# KiCad board coils_12_35_10_8_layer.kicad_pcb (continued)
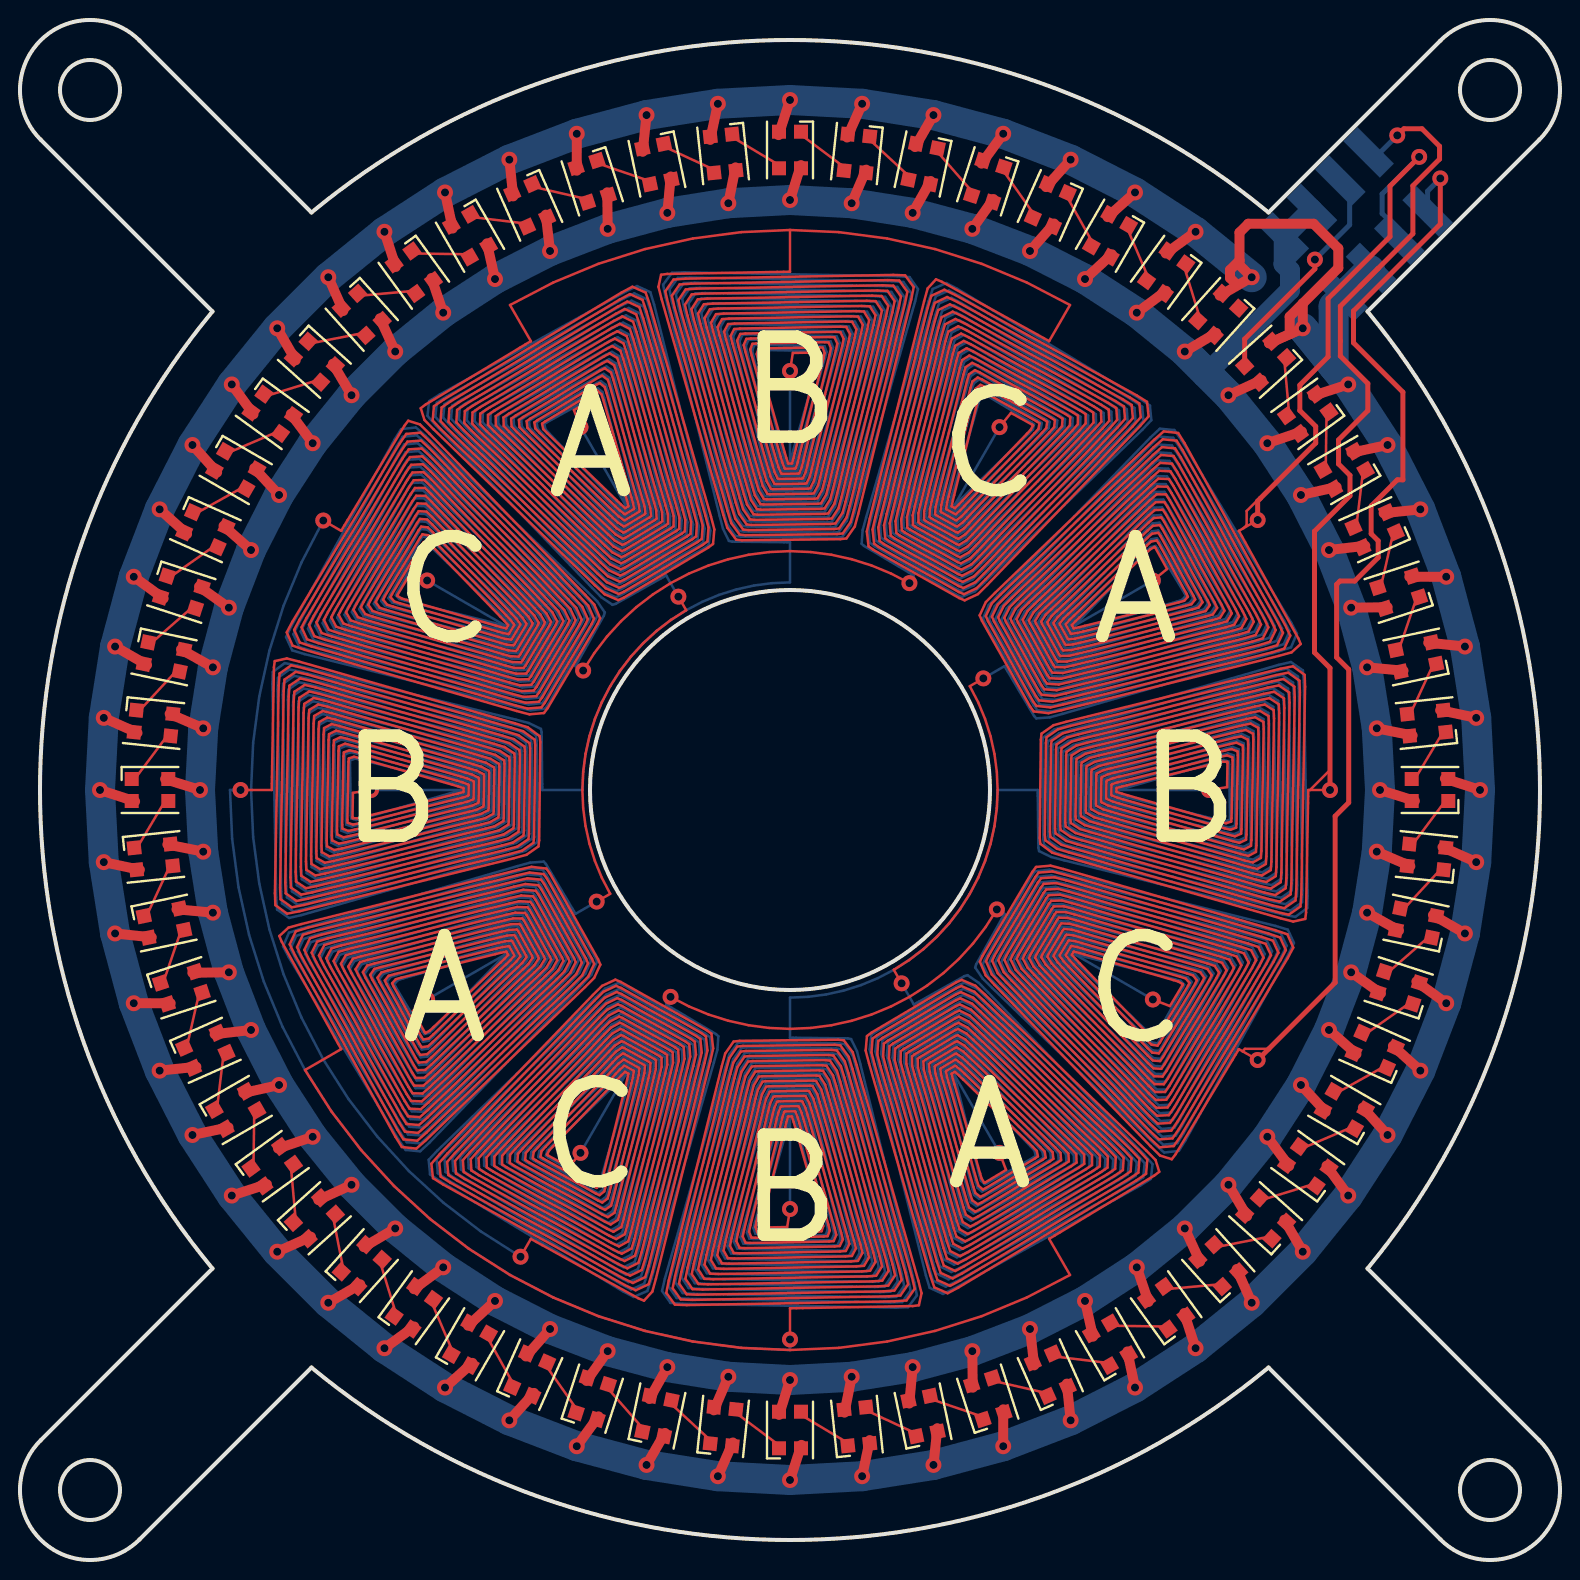
[diagram p0: board, top side]
## Routing (per net, layer and track width the routed paths; a pad name or vN(x,y) marks a point on that pad's centre or on a via; arc(x,y) is an arc through that point) (continued)
30.34,61.19 29.86,61.44 29.5,61.25 23.36,57.55 23.01,57.32 23,56.79 23.33,56.45 29.26,50.72 29.61,50.38 30.07,50.14 30.22,50.21 32.55,51.58 32.68,51.69 32.68,52.19 32.56,52.65 30.33,60.39 30.18,60.83 29.74,61.07 29.4,60.89 23.72,57.47 23.4,57.25 23.4,56.76 23.71,56.43 29.33,51 29.66,50.68 30.09,50.45 30.23,50.5 32.28,51.72 32.4,51.82 32.39,52.29 32.27,52.72 30.16,60.05 30.02,60.47 29.61,60.7 29.3,60.54 24.08,57.39 23.79,57.19 23.79,56.73 24.09,56.42 29.4,51.28 29.72,50.98 30.11,50.76 30.23,50.8 32.01,51.86 32.11,51.94 32.1,52.38 31.99,52.79 29.99,59.71 29.86,60.1 29.49,60.33 29.2,60.18 24.44,57.31 24.17,57.13 24.19,56.7 24.47,56.41 29.47,51.56 29.77,51.28 30.13,51.06 30.24,51.1 31.75,52 31.83,52.07 31.81,52.48 31.71,52.86 29.83,59.37 29.7,59.74 29.36,59.96 29.1,59.82 24.8,57.23 24.56,57.07 24.58,56.67 24.84,56.4 29.55,51.85 29.83,51.58 30.16,51.37 30.24,51.4 31.48,52.13 31.55,52.19 31.52,52.57 31.42,52.93 29.66,59.03 29.55,59.38 29.24,59.59 29,59.47 25.16,57.15 24.94,57 24.98,56.64 25.22,56.38 29.62,52.13 29.88,51.88 30.18,51.68 30.25,51.7 31.21,52.27 31.27,52.32 31.23,52.67 31.14,53 29.5,58.69 29.39,59.01 29.11,59.22 28.91,59.11 25.52,57.07 25.33,56.94 25.37,56.61 25.6,56.37 29.69,52.41 29.94,52.18 30.2,51.98 30.25,52 30.95,52.41 30.98,52.45 30.94,52.76 30.85,53.07 29.33,58.35 29.23,58.65 28.98,58.84 28.81,58.76 25.88,56.99 25.72,56.88 25.77,56.58 25.98,56.36 29.77,52.69 29.99,52.48 30.22,52.29 30.26,52.29 30.68,52.54 30.7,52.57 30.65,52.86 30.57,53.14 29.16,58.01 29.07,58.29 28.86,58.47 28.71,58.4 26.24,56.91 26.1,56.82 26.16,56.55 26.36,56.34 29.84,52.98 30.04,52.78 30.25,52.6 30.27,52.59 30.42,52.68 30.42,52.7 30.36,52.95 30.28,53.21 29,57.67 28.92,57.92 28.79,58.14 28.73,58.12 27.7,57.5 v1(28.02,56.64) ; 38.5,66.5 40.94,66.39 43.36,66.07 45.75,65.55 48.08,64.81 50.33,63.88 52.5,62.75 51.46,60.94 46.09,63.91 45.8,64.03 45.38,63.58 45.21,62.95 42.49,52.07 42.34,51.42 42.43,50.68 42.67,50.51 46.96,48.1 47.23,47.98 47.89,48.29 48.36,48.75 56.01,56.7 56.43,57.19 56.35,57.91 55.84,58.23 46.76,63.25 46.22,63.51 45.57,63.21 45.39,62.61 42.77,52.15 42.63,51.52 42.71,50.82 42.93,50.65 46.94,48.4 47.2,48.29 47.83,48.59 48.27,49.03 55.63,56.68 56.04,57.14 55.97,57.83 55.48,58.13 46.87,62.9 46.36,63.15 45.74,62.85 45.56,62.28 43.05,52.22 42.91,51.63 42.98,50.95 43.19,50.8 46.93,48.7 47.17,48.6 47.77,48.89 48.19,49.31 55.25,56.65 55.64,57.1 55.58,57.75 55.13,58.04 46.98,62.55 46.5,62.78 45.91,62.5 45.74,61.95 43.33,52.3 43.2,51.73 43.26,51.09 43.45,50.94 46.91,49 47.14,48.91 47.7,49.19 48.11,49.6 54.88,56.63 55.25,57.05 55.2,57.68 54.77,57.95 47.09,62.2 46.64,62.42 46.08,62.14 45.92,61.61 43.61,52.38 43.49,51.83 43.54,51.22 43.72,51.09 46.9,49.3 47.1,49.21 47.64,49.49 48.03,49.88 54.5,56.6 54.86,57.01 54.82,57.6 54.41,57.86 47.2,61.84 46.77,62.05 46.25,61.78 46.1,61.28 43.89,52.46 43.77,51.94 43.81,51.35 43.98,51.23 46.88,49.6 47.07,49.52 47.58,49.79 47.95,50.16 54.12,56.57 54.46,56.96 54.43,57.52 54.06,57.76 47.31,61.49 46.91,61.69 46.42,61.43 46.28,60.94 44.18,52.54 44.06,52.04 44.09,51.49 44.24,51.38 46.87,49.9 47.04,49.83 47.51,50.09 47.87,50.44 53.74,56.55 54.07,56.92 54.05,57.45 53.7,57.67 47.43,61.14 47.05,61.32 46.59,61.07 46.46,60.61 44.46,52.61 44.35,52.14 44.37,51.62 44.5,51.52 46.85,50.2 47.01,50.14 47.45,50.39 47.79,50.72 53.37,56.52 53.68,56.87 53.66,57.37 53.34,57.58 47.54,60.79 47.19,60.95 46.76,60.71 46.63,60.28 44.74,52.69 44.63,52.24 44.64,51.76 44.76,51.67 46.84,50.5 46.98,50.44 47.39,50.68 47.7,51 52.99,56.49 53.28,56.83 53.28,57.3 52.98,57.49 47.65,60.44 47.33,60.59 46.93,60.35 46.81,59.94 45.02,52.77 44.92,52.35 44.92,51.89 45.02,51.81 46.83,50.8 46.95,50.75 47.32,50.98 47.62,51.28 52.61,56.47 52.89,56.78 52.9,57.22 52.63,57.39 47.76,60.09 47.47,60.22 47.11,60 46.99,59.61 45.3,52.85 45.21,52.45 45.2,52.03 45.28,51.95 46.81,51.1 46.92,51.06 47.26,51.28 47.54,51.57 52.23,56.44 52.5,56.74 52.51,57.14 52.27,57.3 47.87,59.73 47.61,59.86 47.28,59.64 47.17,59.27 45.58,52.93 45.49,52.55 45.47,52.16 45.54,52.1 46.8,51.39 46.88,51.37 47.2,51.58 47.46,51.85 51.86,56.42 52.1,56.69 52.13,57.07 51.91,57.21 47.98,59.38 47.75,59.49 47.45,59.28 47.35,58.94 45.86,53 45.78,52.65 45.75,52.29 45.8,52.24 46.78,51.69 46.85,51.67 47.13,51.88 47.38,52.13 51.48,56.39 51.71,56.65 51.74,56.99 51.55,57.12 48.09,59.03 47.89,59.13 47.62,58.92 47.53,58.61 46.14,53.08 46.07,52.76 46.03,52.43 46.07,52.39 46.77,51.99 46.82,51.98 47.07,52.18 47.3,52.41 51.1,56.36 51.32,56.6 51.36,56.91 51.2,57.02 48.21,58.68 48.03,58.76 47.79,58.57 47.7,58.27 46.43,53.16 46.35,52.86 46.31,52.56 46.33,52.53 46.75,52.29 46.79,52.29 47.01,52.48 47.22,52.69 50.72,56.34 50.92,56.56 50.98,56.84 50.84,56.93 48.32,58.33 48.16,58.39 47.96,58.21 47.88,57.94 46.71,53.24 46.64,52.96 46.58,52.7 46.59,52.68 46.74,52.59 46.76,52.6 46.94,52.78 47.13,52.97 50.35,56.31 50.53,56.51 50.65,56.73 50.6,56.77 49.55,57.35 v1(48.98,56.64) ; v1(32.92,48.17) 33.31,47.49 32.55,47 31.83,46.45 31.16,45.84 30.55,45.17 30,44.45 29.51,43.69 29.09,42.89 28.75,42.05 28.47,41.19 28.28,40.3 28.16,39.4 28.12,38.5 28.16,37.6 28.28,36.7 28.47,35.81 28.75,34.95 29.09,34.11 29.51,33.31 v1(28.83,32.92) ; v1(11.03,38.5) 12.59,38.5 12.7,44.63 12.74,44.94 13.34,45.08 13.97,44.91 24.76,41.83 25.39,41.63 25.98,41.19 26.01,40.89 25.96,35.98 25.92,35.68 25.32,35.26 24.69,35.09 13.98,32.44 13.35,32.31 12.77,32.74 12.75,33.34 12.93,43.72 12.98,44.32 13.56,44.73 14.17,44.59 24.55,41.63 25.16,41.44 25.73,41.02 25.76,40.74 25.71,36.14 25.67,35.86 25.1,35.46 24.49,35.3 14.19,32.75 13.59,32.63 13.03,33.04 13.01,33.61 13.18,43.45 13.23,44.02 13.79,44.41 14.37,44.27 24.34,41.42 24.92,41.24 25.48,40.84 25.5,40.58 25.45,36.3 25.42,36.04 24.87,35.67 24.29,35.51 14.4,33.07 13.82,32.95 13.28,33.33 13.26,33.87 13.43,43.18 13.47,43.72 14.01,44.08 14.57,43.95 24.13,41.22 24.69,41.04 25.22,40.67 25.25,40.43 25.2,36.46 25.17,36.22 24.64,35.87 24.09,35.72 14.61,33.38 14.06,33.27 13.54,33.63 13.52,34.13 13.68,42.91 13.72,43.41 14.24,43.76 14.77,43.63 23.92,41.01 24.46,40.85 24.97,40.5 24.99,40.28 24.95,36.63 24.92,36.4 24.41,36.08 23.88,35.93 14.83,33.69 14.3,33.59 13.8,33.92 13.78,34.4 13.93,42.63 13.97,43.11 14.46,43.43 14.97,43.31 23.72,40.81 24.23,40.65 24.71,40.33 24.74,40.12 24.7,36.79 24.67,36.59 24.19,36.28 23.68,36.15 15.04,34.01 14.53,33.91 14.06,34.21 14.04,34.66 14.18,42.36 14.21,42.81 14.68,43.1 15.17,42.99 23.51,40.6 24,40.45 24.46,40.15 24.48,39.97 24.45,36.95 24.42,36.77 23.96,36.49 23.48,36.36 15.25,34.32 14.77,34.22 14.32,34.51 14.3,34.92 14.43,42.09 14.46,42.5 14.91,42.78 15.37,42.66 23.3,40.4 23.76,40.26 24.2,39.98 24.22,39.82 24.19,37.11 24.17,36.95 23.73,36.69 23.27,36.57 15.46,34.64 15,34.54 14.57,34.8 14.56,35.19 14.68,41.82 14.71,42.2 15.13,42.45 15.57,42.34 23.09,40.19 23.53,40.06 23.95,39.81 23.97,39.66 23.94,37.28 23.92,37.13 23.5,36.9 23.07,36.78 15.67,34.95 15.24,34.86 14.83,35.1 14.82,35.45 14.93,41.55 14.96,41.9 15.36,42.12 15.77,42.02 22.88,39.99 23.3,39.86 23.69,39.64 23.71,39.51 23.69,37.44 23.67,37.31 23.28,37.1 22.87,36.99 15.88,35.26 15.47,35.18 15.09,35.39 15.08,35.71 15.18,41.27 15.2,41.59 15.58,41.8 15.97,41.7 22.67,39.78 23.07,39.67 23.44,39.46 23.46,39.35 23.44,37.6 23.42,37.49 23.05,37.3 22.66,37.2 16.09,35.58 15.71,35.5 15.35,35.69 15.33,35.98 15.43,41 15.45,41.29 15.8,41.47 16.17,41.38 22.47,39.58 22.83,39.47 23.18,39.29 23.2,39.2 23.18,37.76 23.16,37.67 22.82,37.51 22.46,37.41 16.31,35.89 15.94,35.82 15.61,35.98 15.59,36.24 15.67,40.73 15.7,40.99 16.03,41.14 16.37,41.06 22.26,39.38 22.6,39.27 22.93,39.12 22.95,39.05 22.93,37.92 22.91,37.85 22.59,37.71 22.26,37.63 16.52,36.2 16.18,36.13 15.87,36.27 15.85,36.5 15.92,40.46 15.94,40.68 16.25,40.82 16.57,40.74 22.05,39.17 22.37,39.08 22.67,38.94 22.69,38.89 22.68,38.09 22.66,38.03 22.37,37.92 22.05,37.84 16.73,36.52 16.42,36.45 16.12,36.57 16.11,36.77 16.17,40.18 16.19,40.38 16.48,40.49 16.77,40.42 21.84,38.97 22.14,38.88 22.42,38.77 22.43,38.74 22.43,38.25 22.41,38.22 22.14,38.12 21.85,38.05 16.94,36.83 16.65,36.77 16.38,36.86 16.37,37.03 16.42,39.91 16.44,40.08 16.7,40.16 16.97,40.09 21.63,38.76 21.91,38.68 22.16,38.6 22.18,38.59 22.18,38.41 22.16,38.4 21.91,38.33 21.65,38.26 17.15,37.15 16.89,37.09 16.64,37.09 16.63,37.16 16.65,38.36 v1(17.55,38.5) ; v1(44.47,48.84) 43.55,49.32 42.58,49.72 41.59,50.04 40.57,50.26 39.54,50.4 38.5,50.44 37.46,50.4 36.43,50.26 35.41,50.04 34.42,49.72 33.45,49.32 32.53,48.84 31.65,48.28 30.82,47.65 30.06,46.94 29.35,46.18 28.72,45.35 v1(28.16,44.47) ; 64.5,38.5 v1(65.5,38.5) ; 64.5,38.5 65.5,39.5 ; 64.5,38.5 64.41,38.5 64.3,32.37 64.26,32.06 63.66,31.92 63.03,32.09 52.24,35.17 51.61,35.37 51.02,35.81 50.99,36.11 51.04,41.02 51.08,41.32 51.68,41.74 52.31,41.91 63.02,44.56 63.65,44.69 64.23,44.26 64.25,43.66 64.07,33.28 64.02,32.68 63.44,32.27 62.83,32.41 52.45,35.37 51.84,35.56 51.27,35.98 51.24,36.26 51.29,40.86 51.33,41.14 51.9,41.54 52.51,41.7 62.81,44.25 63.41,44.37 63.97,43.96 63.99,43.39 63.82,33.55 63.77,32.98 63.21,32.59 62.63,32.73 52.66,35.58 52.08,35.76 51.52,36.16 51.5,36.42 51.55,40.7 51.58,40.96 52.13,41.33 52.71,41.49 62.6,43.93 63.18,44.05 63.72,43.67 63.74,43.13 63.57,33.82 63.53,33.28 62.99,32.92 62.43,33.05 52.87,35.78 52.31,35.96 51.78,36.33 51.75,36.57 51.8,40.54 51.83,40.78 52.36,41.13 52.91,41.28 62.39,43.62 62.94,43.73 63.46,43.37 63.48,42.87 63.32,34.09 63.28,33.59 62.76,33.24 62.23,33.37 53.08,35.99 52.54,36.15 52.03,36.5 52.01,36.72 52.05,40.37 52.08,40.6 52.59,40.92 53.12,41.07 62.17,43.31 62.7,43.41 63.2,43.08 63.22,42.6 63.07,34.37 63.03,33.89 62.54,33.57 62.03,33.69 53.28,36.19 52.77,36.35 52.29,36.67 52.26,36.88 52.3,40.21 52.33,40.41 52.81,40.72 53.32,40.85 61.96,42.99 62.47,43.09 62.94,42.79 62.96,42.34 62.82,34.64 62.79,34.19 62.32,33.9 61.83,34.01 53.49,36.4 53,36.55 52.54,36.85 52.52,37.03 52.55,40.05 52.58,40.23 53.04,40.51 53.52,40.64 61.75,42.68 62.23,42.78 62.68,42.49 62.7,42.08 62.57,34.91 62.54,34.5 62.09,34.22 61.63,34.34 53.7,36.6 53.24,36.74 52.8,37.02 52.78,37.18 52.81,39.89 52.83,40.05 53.27,40.31 53.73,40.43 61.54,42.36 62,42.46 62.43,42.2 62.44,41.81 62.32,35.18 62.29,34.8 61.87,34.55 61.43,34.66 53.91,36.81 53.47,36.94 53.05,37.19 53.03,37.34 53.06,39.72 53.08,39.87 53.5,40.1 53.93,40.22 61.33,42.05 61.76,42.14 62.17,41.9 62.18,41.55 62.07,35.45 62.04,35.1 61.64,34.88 61.23,34.98 54.12,37.01 53.7,37.14 53.31,37.36 53.29,37.49 53.31,39.56 53.33,39.69 53.72,39.9 54.13,40.01 61.12,41.74 61.53,41.82 61.91,41.61 61.92,41.29 61.82,35.73 61.8,35.41 61.42,35.2 61.03,35.3 54.33,37.22 53.93,37.33 53.56,37.54 53.54,37.65 53.56,39.4 53.58,39.51 53.95,39.7 54.34,39.8 60.91,41.42 61.29,41.5 61.65,41.31 61.67,41.02 61.57,36 61.55,35.71 61.2,35.53 60.83,35.62 54.53,37.42 54.17,37.53 53.82,37.71 53.8,37.8 53.82,39.24 53.84,39.33 54.18,39.49 54.54,39.59 60.69,41.11 61.06,41.18 61.39,41.02 61.41,40.76 61.33,36.27 61.3,36.01 60.97,35.86 60.63,35.94 54.74,37.62 54.4,37.73 54.07,37.88 54.05,37.95 54.07,39.08 54.09,39.15 54.41,39.29 54.74,39.37 60.48,40.8 60.82,40.87 61.13,40.73 61.15,40.5 61.08,36.54 61.06,36.32 60.75,36.18 60.43,36.26 54.95,37.83 54.63,37.92 54.33,38.06 54.31,38.11 54.32,38.91 54.34,38.97 54.63,39.08 54.95,39.16 60.27,40.48 60.58,40.55 60.88,40.43 60.89,40.23 60.83,36.82 60.81,36.62 60.52,36.51 60.23,36.58 55.16,38.03 54.86,38.12 54.58,38.23 54.57,38.26 54.57,38.75 54.59,38.78 54.86,38.88 55.15,38.95 60.06,40.17 60.35,40.23 60.62,40.14 60.63,39.97 60.58,37.09 60.56,36.92 60.3,36.84 60.03,36.91 55.37,38.24 55.09,38.32 54.84,38.4 54.82,38.41 54.82,38.59 54.84,38.6 55.09,38.67 55.35,38.74 59.85,39.85 60.11,39.91 60.36,39.91 60.37,39.84 60.35,38.64 v1(59.45,38.5) ; v1(56.64,28.03) 57.5,27.7 58.12,28.73 58.14,28.79 57.92,28.92 57.67,29 53.21,30.28 52.95,30.36 52.7,30.42 52.68,30.42 52.59,30.27 52.6,30.25 52.78,30.04 52.98,29.84 56.34,26.36 56.55,26.16 56.82,26.1 56.91,26.24 58.4,28.71 58.47,28.86 58.29,29.07 58.01,29.16 53.14,30.57 52.86,30.65 52.57,30.7 52.54,30.68 52.29,30.26 52.29,30.22 52.48,29.99 52.69,29.77 56.36,25.98 56.58,25.77 56.88,25.72 56.99,25.88 58.76,28.81 58.84,28.98 58.65,29.23 58.35,29.33 53.07,30.85 52.76,30.94 52.45,30.98 52.41,30.95 52,30.25 51.98,30.2 52.18,29.94 52.41,29.69 56.37,25.6 56.61,25.37 56.94,25.33 57.07,25.52 59.11,28.91 59.22,29.11 59.01,29.39 58.69,29.5 53,31.14 52.67,31.23 52.32,31.27 52.27,31.21 51.7,30.25 51.68,30.18 51.88,29.88 52.13,29.62 56.38,25.22 56.64,24.98 57,24.94 57.15,25.16 59.47,29 59.59,29.24 59.38,29.55 59.03,29.66 52.93,31.42 52.57,31.52 52.19,31.55 52.13,31.48 51.4,30.24 51.37,30.16 51.58,29.83 51.85,29.55 56.4,24.84 56.67,24.58 57.07,24.56 57.23,24.8 59.82,29.1 59.96,29.36 59.74,29.7 59.37,29.83 52.86,31.71 52.48,31.81 52.07,31.83 52,31.75 51.1,30.24 51.06,30.13 51.28,29.77 51.56,29.47 56.41,24.47 56.7,24.19 57.13,24.17 57.31,24.44 60.18,29.2 60.33,29.49 60.1,29.86 59.71,29.99 52.79,31.99 52.38,32.1 51.94,32.11 51.86,32.01 50.8,30.23 50.76,30.11 50.98,29.72 51.28,29.4 56.42,24.09 56.73,23.79 57.19,23.79 57.39,24.08 60.54,29.3 60.7,29.61 60.47,30.02 60.05,30.16 52.72,32.27 52.29,32.39 51.82,32.4 51.72,32.28 50.5,30.23 50.45,30.09 50.68,29.66 51,29.33 56.43,23.71 56.76,23.4 57.25,23.4 57.47,23.72 60.89,29.4 61.07,29.74 60.83,30.18 60.39,30.33 52.65,32.56 52.19,32.68 51.69,32.68 51.58,32.55 50.21,30.22 50.14,30.07 50.38,29.61 50.72,29.26 56.45,23.33 56.79,23 57.32,23.01 57.55,23.36 61.25,29.5 61.44,29.86 61.19,30.34 60.73,30.49 52.58,32.84 52.1,32.97 51.56,32.96 51.45,32.81 49.91,30.22 49.84,30.05 50.08,29.56 50.43,29.18 56.46,22.95 56.82,22.61 57.38,22.63 57.63,23 61.6,29.6 61.81,29.99 61.55,30.49 61.07,30.66 52.51,33.13 52.01,33.26 51.44,33.24 51.31,33.08 49.61,30.21 49.53,30.02 49.79,29.5 50.15,29.11 56.47,22.57 56.85,22.21 57.44,22.24 57.71,22.63 61.96,29.69 62.18,30.12 61.92,30.65 61.41,30.83 52.44,33.41 51.91,33.55 51.31,33.52 51.17,33.35 49.31,30.21 49.22,30 49.49,29.45 49.87,29.04 56.48,22.2 56.88,21.82 57.5,21.85 57.79,22.27 62.31,29.79 62.55,30.24 62.28,30.81 61.75,30.99 52.37,33.7 51.82,33.85 51.18,33.81 51.03,33.61 49.01,30.2 48.91,29.98 49.19,29.39 49.59,28.96 56.5,21.82 56.92,21.42 57.57,21.47 57.87,21.91 62.67,29.89 62.92,30.37 62.64,30.97 62.09,31.16 52.3,33.98 51.72,34.14 51.06,34.09 50.9,33.88 48.71,30.2 48.61,29.96 48.89,29.34 49.3,28.89 56.51,21.44 56.95,21.03 57.63,21.08 57.95,21.55 63.03,29.99 63.29,30.49 63.01,31.13 62.43,31.32 52.23,34.27 51.63,34.43 50.93,34.37 50.76,34.15 48.42,30.19 48.3,29.94 48.59,29.28 49.02,28.82 56.52,21.06 56.98,20.63 57.69,20.7 58.03,21.19 63.38,30.09 63.66,30.62 63.37,31.28 62.77,31.49 52.16,34.55 51.53,34.72 50.8,34.65 50.62,34.41 48.12,30.19 47.99,29.91 48.29,29.23 48.74,28.74 56.53,20.68 57,20.22 57.59,20.04 57.78,20.29 60.94,25.54 61.12,25.44 ; 61.12,25.44 61.25,25.56 62.44,25.56 ; 61.12,25.44 v1(61.88,25) ; v1(44.08,28.83) 43.69,29.51 44.45,30 45.17,30.55 45.84,31.16 46.45,31.83 47,32.55 47.49,33.31 47.91,34.11 48.25,34.95 48.53,35.81 48.72,36.7 48.84,37.6 48.88,38.5 48.84,39.4 48.72,40.3 48.53,41.19 48.25,42.05 47.91,42.89 47.49,43.69 v1(48.17,44.08) ; v1(32.53,28.16) 33.45,27.68 34.42,27.28 35.41,26.96 36.43,26.74 37.46,26.6 38.5,26.56 39.54,26.6 40.57,26.74 41.59,26.96 42.58,27.28 43.55,27.68 44.47,28.16 45.35,28.72 46.18,29.35 46.94,30.06 47.65,30.82 48.28,31.65 v1(48.84,32.53) ; 61.19,51.6 60.94,51.46 63.91,46.09 64.03,45.8 63.58,45.38 62.95,45.21 52.07,42.49 51.42,42.34 50.68,42.43 50.51,42.67 48.1,46.96 47.98,47.23 48.29,47.89 48.75,48.36 56.7,56.01 57.19,56.43 57.91,56.35 58.23,55.84 63.25,46.76 63.51,46.22 63.21,45.57 62.61,45.39 52.15,42.77 51.52,42.63 50.82,42.71 50.65,42.93 48.4,46.94 48.29,47.2 48.59,47.83 49.03,48.27 56.68,55.63 57.14,56.04 57.83,55.97 58.13,55.48 62.9,46.87 63.15,46.36 62.85,45.74 62.28,45.56 52.22,43.05 51.63,42.91 50.95,42.98 50.8,43.19 48.7,46.93 48.6,47.17 48.89,47.77 49.31,48.19 56.65,55.25 57.1,55.64 57.75,55.58 58.04,55.13 62.55,46.98 62.78,46.5 62.5,45.91 61.95,45.74 52.3,43.33 51.73,43.2 51.09,43.26 50.94,43.45 49,46.91 48.91,47.14 49.19,47.7 49.6,48.11 56.63,54.88 57.05,55.25 57.68,55.2 57.95,54.77 62.2,47.09 62.42,46.64 62.14,46.08 61.61,45.92 52.38,43.61 51.83,43.49 51.22,43.54 51.09,43.72 49.3,46.9 49.21,47.1 49.49,47.64 49.88,48.03 56.6,54.5 57.01,54.86 57.6,54.82 57.86,54.41 61.84,47.2 62.05,46.77 61.78,46.25 61.28,46.1 52.46,43.89 51.94,43.77 51.35,43.81 51.23,43.98 49.6,46.88 49.52,47.07 49.79,47.58 50.16,47.95 56.57,54.12 56.96,54.46 57.52,54.43 57.76,54.06 61.49,47.31 61.69,46.91 61.43,46.42 60.94,46.28 52.54,44.18 52.04,44.06 51.49,44.09 51.38,44.24 49.9,46.87 49.83,47.04 50.09,47.51 50.44,47.87 56.55,53.74 56.92,54.07 57.45,54.05 57.67,53.7 61.14,47.43 61.32,47.05 61.07,46.59 60.61,46.46 52.61,44.46 52.14,44.35 51.62,44.37 51.52,44.5 50.2,46.85 50.14,47.01 50.39,47.45 50.72,47.79 56.52,53.37 56.87,53.68 57.37,53.66 57.58,53.34 60.79,47.54 60.95,47.19 60.71,46.76 60.28,46.63 52.69,44.74 52.24,44.63 51.76,44.64 51.67,44.76 50.5,46.84 50.44,46.98 50.68,47.39 51,47.7 56.49,52.99 56.83,53.28 57.3,53.28 57.49,52.98 60.44,47.65 60.59,47.33 60.35,46.93 59.94,46.81 52.77,45.02 52.35,44.92 51.89,44.92 51.81,45.02 50.8,46.83 50.75,46.95 50.98,47.32 51.28,47.62 56.47,52.61 56.78,52.89 57.22,52.9 57.39,52.63 60.09,47.76 60.22,47.47 60,47.11 59.61,46.99 52.85,45.3 52.45,45.21 52.03,45.2 51.95,45.28 51.1,46.81 51.06,46.92 51.28,47.26 51.57,47.54 56.44,52.23 56.74,52.5 57.14,52.51 57.3,52.27 59.73,47.87 59.86,47.61 59.64,47.28 59.27,47.17 52.93,45.58 52.55,45.49 52.16,45.47 52.1,45.54 51.39,46.8 51.37,46.88 51.58,47.2 51.85,47.46 56.42,51.86 56.69,52.1 57.07,52.13 57.21,51.91 59.38,47.98 59.49,47.75 59.28,47.45 58.94,47.35 53,45.86 52.65,45.78 52.29,45.75 52.24,45.8 51.69,46.78 51.67,46.85 51.88,47.13 52.13,47.38 56.39,51.48 56.65,51.71 56.99,51.74 57.12,51.55 59.03,48.09 59.13,47.89 58.92,47.62 58.61,47.53 53.08,46.14 52.76,46.07 52.43,46.03 52.39,46.07 51.99,46.77 51.98,46.82 52.18,47.07 52.41,47.3 56.36,51.1 56.6,51.32 56.91,51.36 57.02,51.2 58.68,48.21 58.76,48.03 58.57,47.79 58.27,47.7 53.16,46.43 52.86,46.35 52.56,46.31 52.53,46.33 52.29,46.75 52.29,46.79 52.48,47.01 52.69,47.22 56.34,50.72 56.56,50.92 56.84,50.98 56.93,50.84 58.33,48.32 58.39,48.16 58.21,47.96 57.94,47.88 53.24,46.71 52.96,46.64 52.7,46.58 52.68,46.59 52.59,46.74 52.6,46.76 52.78,46.94 52.97,47.13 56.31,50.35 56.51,50.53 56.73,50.65 56.77,50.6 57.35,49.55 v1(56.64,48.98) ; 61.19,51.6 v1(61.88,52)
  Top w0.25: 67.9,64.57 66.02,62.69 66.02,60.2 67.39,58.82 67.39,57.47 65.93,56.01 65.93,54.8 66.5,54.23 66.5,53.21 64.72,51.44 64.72,45.37 65.5,44.6 v1(65.5,38.5) ; 67.9,64.57 67.01,63.68 ; 67.9,64.57 69.64,66.32 69.64,68.71 70.98,70.05 70.98,70.68 70.1,71.56 69.19,71.56 v1(68.86,71.23) ; v1(69.96,70.15) 68.5,68.7 68.5,66.17 65.4,63.07 65.4,60.16 63.99,58.75 63.99,57.47 64.79,56.68 64.79,55.85 61.88,52.95 v1(61.88,52) ; v1(71.02,69.08) 71.02,66.79 66.67,62.45 66.67,60.86 69.15,58.39 69.15,54.01 68.86,54.01 67.56,52.7 67.56,51.31 67.91,50.96 67.91,50.12 66.73,48.95 66,48.95 65.83,48.78 65.83,45.13 66.43,44.53 66.43,37.87 65.76,37.19 65.76,28.88 v1(61.88,25)